# Altium PCB testboard_chip1.PcbDoc (part 1 of 3) (continued)
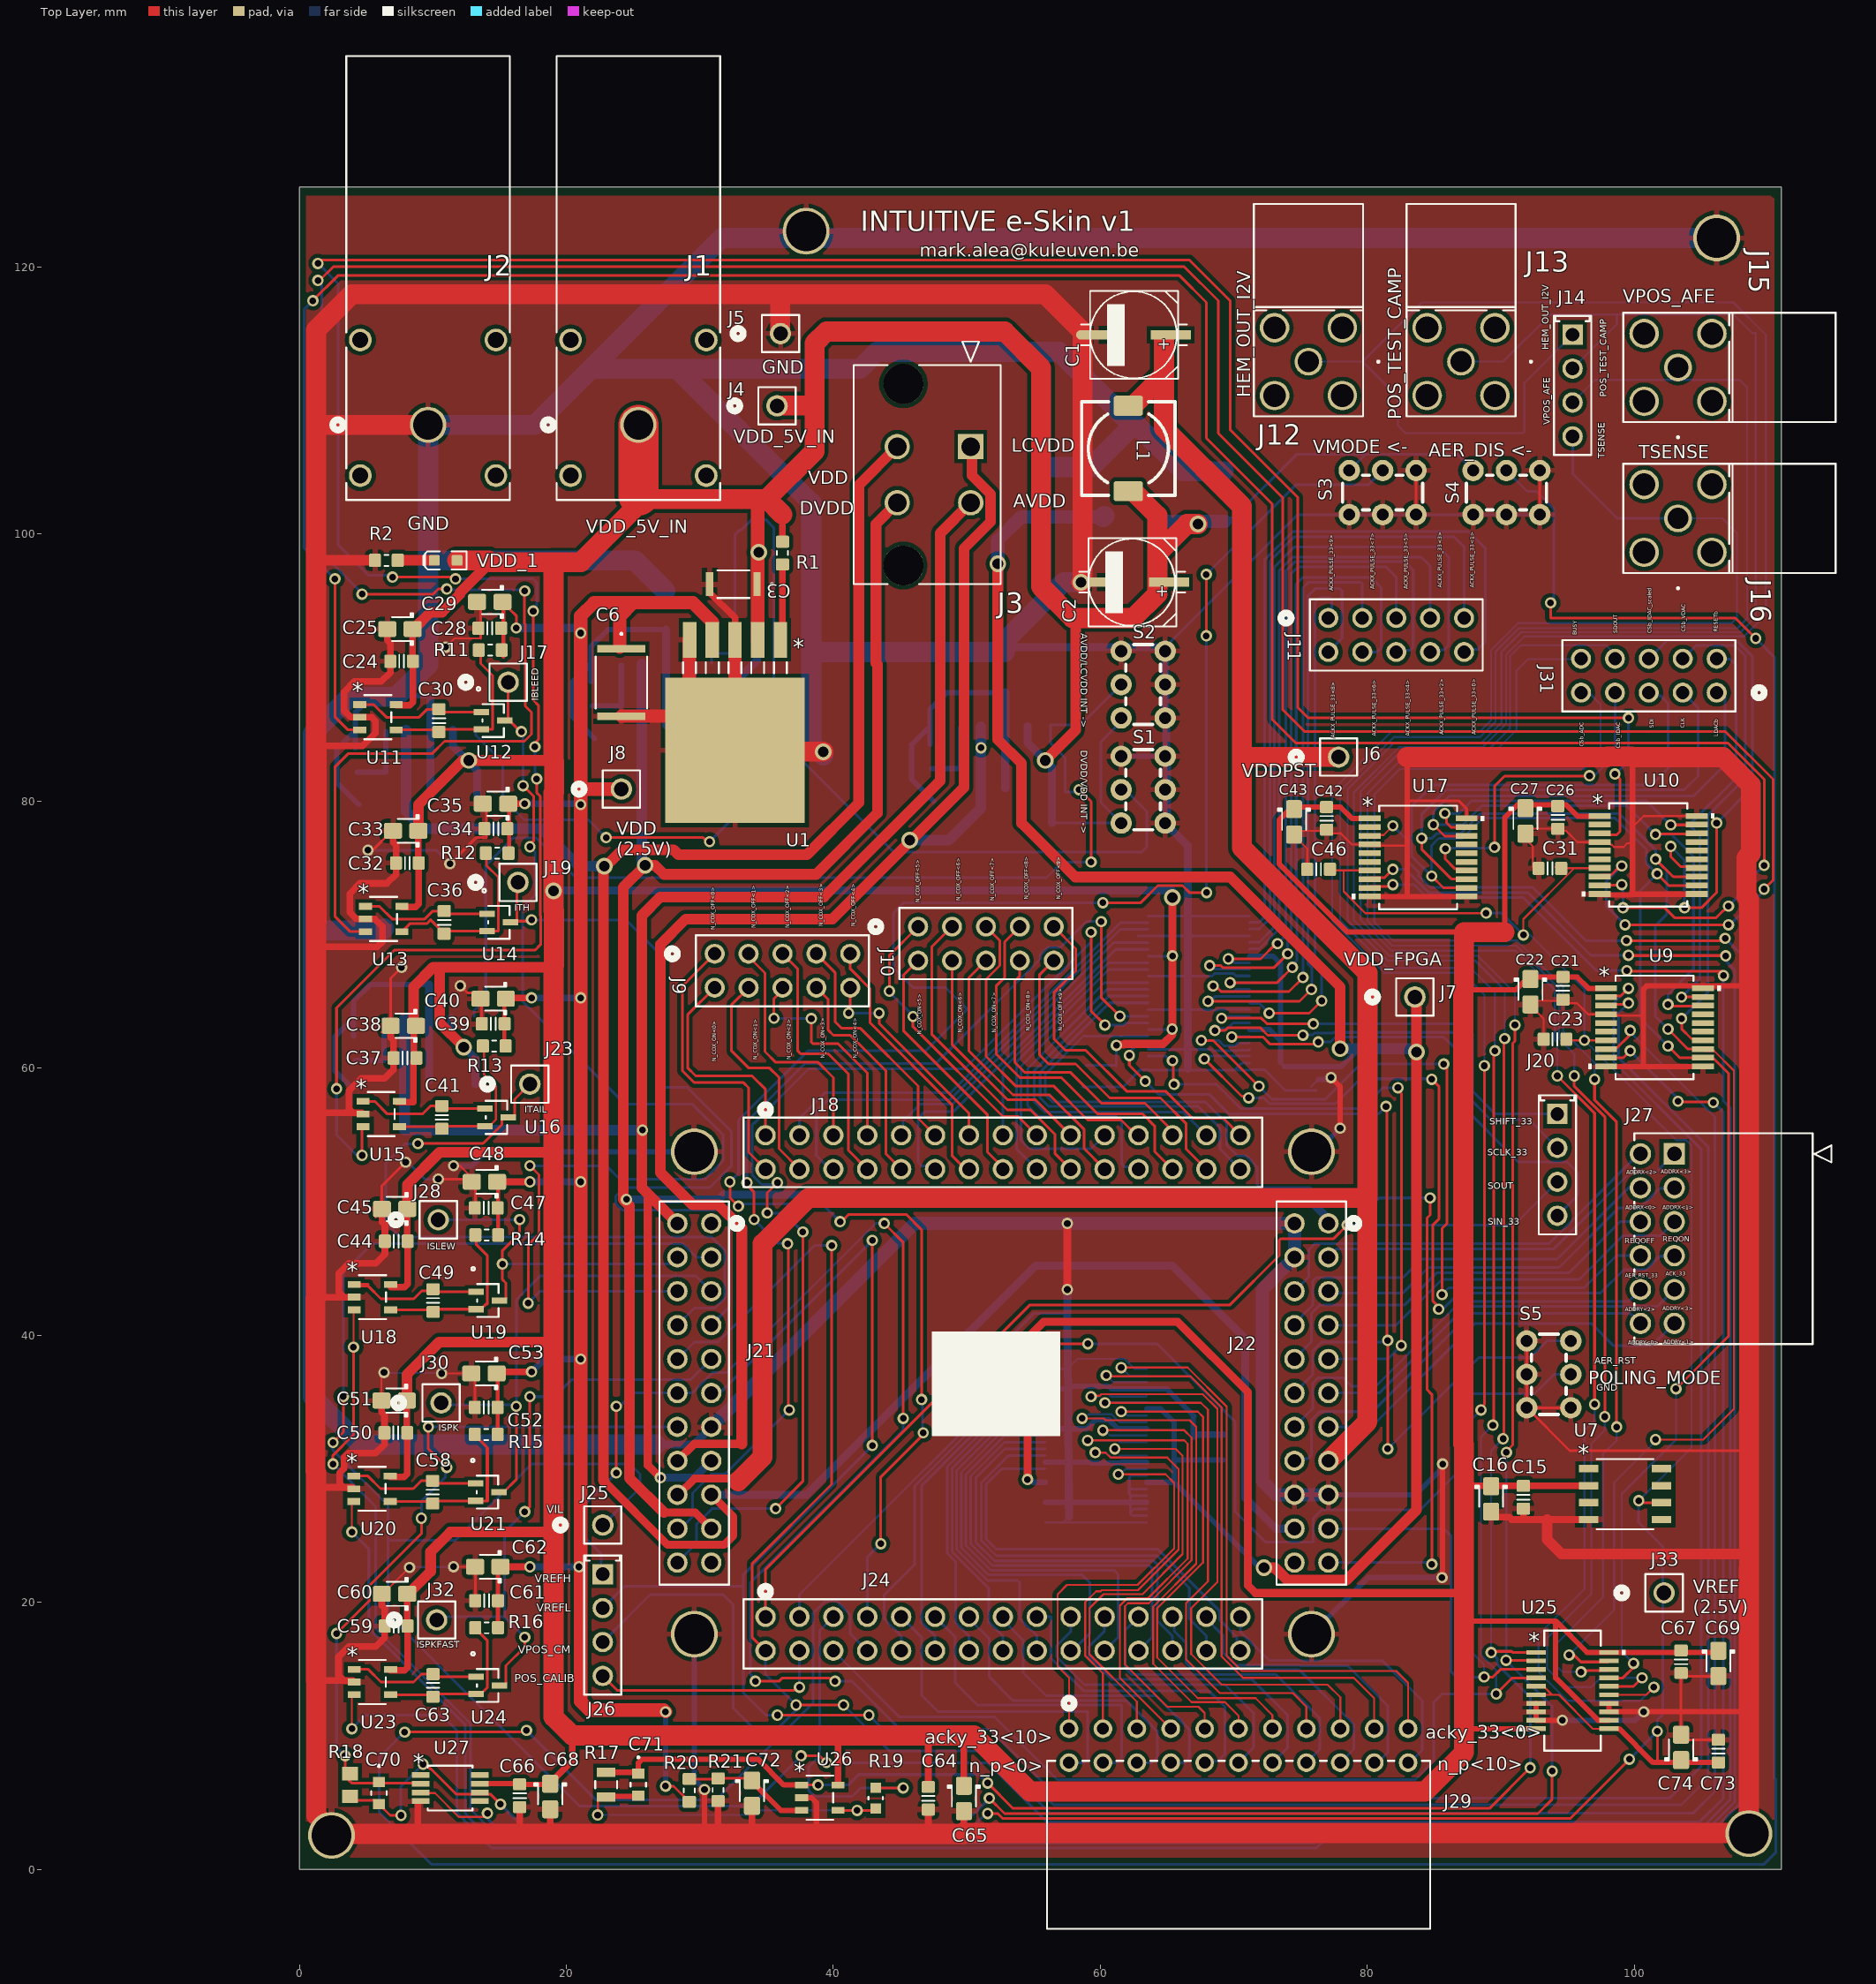
[diagram p0: Top Layer view]
## Components (designator, comment, footprint, x,y, rotation, side; value= is the part's Value field where it differs from the comment) (continued)
C61 "approved sub OK" CAPC1608N 14.03,20.116 r180 top value=100n
C62 "10µ" CAPMP2012X150USR 14.118,22.656 r180 top
C63 "47p" CAPC1608N 10.017,13.766 r90 top
C64 "approved sub OK" CAPC1608N 47.117,5.318 r270 top value=100n
C65 "10µ" CAPMP2012X150USR 49.784,5.299 r270 top
C66 "approved sub OK" CAPC1608N 16.51,5.505 r270 top value=100n
C67 "approved sub OK" CAPC1608N 103.505,15.542 r270 top value=100n
C68 "10µ" CAPMP2012X150USR 18.796,5.445 r270 top
C69 "10µ" CAPMP2012X150USR 106.299,15.415 r270 top
C70 "ML03V10R1AAT2A" CAP_0603_AVX 5.969,5.699 r270 top
C71 "ML03V10R1AAT2A" CAP_0603_AVX 25.4,6.334 r270 top
C72 "10µ" CAPMP2012X150USR 33.909,5.699 r270 top
C73 "approved sub OK" CAPC1608N 106.299,8.849 r90 top value=100n
C74 "10µ" CAPMP2012X150USR 103.505,9.126 r90 top
J1 "FCR7350R" CONN1_FCR7350R_CLF 25.4,108.178 r0 top
J2 "FCR7350R" CONN1_FCR7350R_CLF 9.652,108.178 r0 top
J3 "39299044" CON_39299044 50.292,106.546 r90 top
J4 "901200761" CONN_90120-0761_MOL 35.789,109.601 r0 top
J5 "901200761" CONN_90120-0761_MOL 36.043,115.017 r0 top
J6 "901200761" CONN_90120-0761_MOL 77.851,83.296 r0 top
J7 "901200761" CONN_90120-0761_MOL 83.566,65.328 r0 top
J8 "901200761" CONN_90120-0761_MOL 24.13,80.899 r0 top
J9 "901310765" CONN_901310765_MOL 31.115,68.564 r0 top
J10 "901310765" CONN_901310765_MOL 46.355,70.596 r0 top
J11 "901310765" CONN_901310765_MOL 77.089,93.71 r0 top
J12 "142-0701-301" CONN_142-0701-301_CIN 75.594,112.912 r0 top
J13 "142-0701-301" CONN_142-0701-301_CIN 87.024,112.912 r0 top
J14 "825433-4" CON4_1X4_P100UM_HDR2_TYC 95.377,114.935 r270 top
J15 "142-0701-301" CONN_142-0701-301_CIN 103.276,112.477 r270 top
J16 "142-0701-301" CONN_142-0701-301_CIN 103.276,101.174 r270 top
J17 "901200761" CONN_90120-0761_MOL 15.649,88.9 r0 top
J18 "SSW-115-01-T-D" CON30_2X15_TU_SSQ 52.705,53.705 r180 top
J19 "901200761" CONN_90120-0761_MOL 16.383,73.914 r0 top
J20 "825433-4" CON4_1X4_P100UM_HDR2_TYC 94.239,56.565 r270 top
J21 "SSW-111-01-G-D" CON23_2X11_TU_SSQ 29.591,35.671 r90 top
J22 "SSW-111-01-G-D" CON23_2X11_TU_SSQ 75.819,35.671 r90 top
J23 "901200761" CONN_90120-0761_MOL 17.272,58.801 r0 top
J24 "SSW-115-01-T-D" CON30_2X15_TU_SSQ 52.705,17.637 r180 top
J25 "901200761" CONN_90120-0761_MOL 22.733,25.781 r0 top
J26 "825433-4" CON4_1X4_P100UM_HDR2_TYC 22.733,22.098 r270 top
J27 "61301221021" CONN_61301221021_WRE 102.997,53.578 r270 top
J28 "901200761" CONN_90120-0761_MOL 10.414,48.641 r0 top
J29 "TSW-111-08-G-D-RA" CON23_2X11_TR_TSW_SAI 70.358,9.255 r180 top
J30 "901200761" CONN_90120-0761_MOL 10.624,34.925 r0 top
J31 "901310765" CONN_901310765_MOL 106.172,88.122 r180 top
J32 "901200761" CONN_90120-0761_MOL 10.287,18.669 r0 top
J33 "901200761" CONN_90120-0761_MOL 102.235,20.701 r0 top
L1 "1mH" MCSDRB7032-102MHF 62.103,106.41 r270 top
R1 "Thick Film" RESC1608N 36.195,98.575 r90 top value=10K
R2 "Thick Film" RESC1608N 6.523,98.028 r180 top value=866R
R3 "RC0603FR-073K32L" RC0603N_YAG 7.112,60.69 r180 bottom
R4 "RC0603FR-073K32L" RC0603N_YAG 50.292,82.42 r180 bottom
R5 "RC0603FR-073K32L" RC0603N_YAG 24.892,87.119 r180 bottom
R6 "RC0603FR-0714KL" RC0603N_YAG 7.239,82.153 r180 bottom
R7 "Thick Film" RESC1608N 4.191,61.452 r90 bottom value=10K
R8 "Thick Film" RESC1608N 47.244,83.511 r90 bottom value=10K
R9 "Thick Film" RESC1608N 21.971,87.995 r90 bottom value=10K
R10 "Thick Film" RESC1608N 4.318,83.042 r90 bottom value=10K
R11 "Thick Film" RESC1608N 14.299,91.313 r180 top value=2K21
R12 "Thick Film" RESC1608N 14.82,76.103 r180 top value=2K21
R13 "Thick Film" RESC1608N 14.605,61.656 r180 top value=2K21
R14 "Thick Film" RESC1608N 14.043,47.498 r180 top value=2K21
R15 "Thick Film" RESC1608N 14.003,32.562 r180 top value=2K21
R16 "Thick Film" RESC1608N 14.03,18.084 r180 top value=2K21
R17 "RH73X2A50GNTN" RES_RH732A_TYC 22.987,6.334 r90 top
R18 "CRCW08054M12FKEA" RC0805N_VIS 3.809,6.31 r90 top
R19 "RC0603JR-07100RL" RC0603N_YAG 43.18,5.318 r270 top
R20 "Thick Film" RESC1608N 29.21,5.905 r90 top value=100K
R21 "Thick Film" RESC1608N 31.369,5.953 r270 top value=100K
S1 "SWITCH_JS202011CQN_DPDT" PCBComponent_1 63.215,80.858 r270 top
S2 "SWITCH_JS202011CQN_DPDT" PCBComponent_1 63.215,88.732 r270 top
S3 "SWITCH_JS202011CQN_DPDT" PCBComponent_1 81.153,103.108 r180 top
S4 "SWITCH_JS202011CQN_DPDT" PCBComponent_1 90.424,103.108 r180 top
S5 "SWITCH_JS202011CQN_DPDT" PCBComponent_1 93.599,37.068 r90 top
U1 "LP3961ES-2.5" TS5B_TEX 32.639,83.804 r180 top
U2 "BD00C0AWHFP-CTR" HRP5_BD00C0_ROM 9.652,68.831 r180 bottom
U3 "BD00C0AWHFP-CTR" HRP5_BD00C0_ROM 52.832,90.662 r180 bottom
U4 "BD33C0AFP-CE2" TO252-3_ROM 62.611,108.125 r180 bottom
U5 "BD00C0AWHFP-CTR" HRP5_BD00C0_ROM 27.432,95.247 r180 bottom
U6 "BD00C0AWHFP-CTR" HRP5_BD00C0_ROM 9.779,90.294 r180 bottom
U7 "REF5025AIDG4" D8 99.314,28.096 r0 top
U8 "SN74LVCH16T245DGGR" DGG48 67.375,65.643 r180 bottom
U9 "DAC7614EB" DB20 101.514,63.053 r0 top
U10 "DAC7614EB" DB20 101.041,75.968 r0 top
U11 "TLV2771CDBVR" DBV5 5.888,86.283 r0 top
U12 "BC817W" SOT323_NEX 14.524,86.029 r270 top
U13 "TLV2771CDBVR" DBV5 6.317,71.17 r0 top
U14 "BC817W" SOT323_NEX 14.953,70.916 r270 top
U15 "TLV2771CDBVR" DBV5 6.143,56.565 r0 top
U16 "BC817W" SOT323_NEX 14.779,56.311 r270 top
U17 "DAC7614EB" DB20 83.807,75.778 r0 top
U18 "TLV2771CDBVR" DBV5 5.488,42.849 r0 top
U19 "BC817W" SOT323_NEX 14.124,42.595 r270 top
U20 "TLV2771CDBVR" DBV5 5.455,28.498 r0 top
U21 "BC817W" SOT323_NEX 14.091,28.244 r270 top
U22 "SN74LVCH16T245DGGR" DGG48 59.69,31.734 r180 bottom
U23 "TLV2771CDBVR" DBV5 5.482,14.02 r0 top
U24 "BC817W" SOT323_NEX 14.118,13.766 r270 top
U25 "ADS8344E" DBQ20 95.377,13.383 r0 top
U26 "TLV2771CDBVR" DBV5 38.989,5.36 r0 top
U27 "OPA380AIDGKT" DGK8 11.303,6.08 r0 top
VDD_1 "Red" LED-0603-RED 10.968,98.028 r180 top

## Footprints (in the part's own frame and the unit in brackets; to place one, negate y for a bottom-side part, rotate by r counter-clockwise, add the part's x,y. Pads: shape width x height; smd on the part's side, far side on the other; paste and mask are expansions set on the pad)
CAP_0603_AVX [mm]
  rect 0.75x0.91 smd paste+0 mask+0: 1(-0.825,0) 2(0.825,0)
  silkscreen extent -2.11,-0.58 0.14,0.58, body extent -0.85,-0.46 0.85,0.46, height 0.73
CAP_3216_TDK [mil]
  rect 21.78x71 smd paste+0 mask+0: 1(-69.89,0) 2(69.89,0)
  silkscreen extent -117,-40 47,41, body extent -67,-36 67,36, height 49
CAP_4532_TDK [mil]
  rect 21.78x142 smd paste+0 mask+0: 1(-99.39,0) 2(99.39,0)
  silkscreen extent -146,-76 76,76, body extent -96,-71 96,71, height 110
CAPC1608N [mm]
  round 0.254 on Mech14: 0(0,0)
  rrect25% 0.9x1 smd: 1(-0.85,0) 2(0.85,0)
  Top Layer pour cut-out: -0.4,0.6 0.4,0.6 0.4,-0.6 -0.4,-0.6
  silkscreen extent -0.18,-0.48 0.18,0.48, body extent -0.85,-0.45 0.85,0.45, height 0.89
CAPMP2012X150USR [mm]
  round 0.254 on Mech14: 0(0,0)
  rrect25% 1.35x1.2 smd: 1(-0.95,0) 2(0.95,0)
  Top Layer pour cut-out: -0.4,0.8 0.4,0.8 0.4,-0.8 -0.4,-0.8
  silkscreen extent -1,-1.2 0.6,1.2, body extent -1.02,-0.67 1.03,0.68, height 1.5
CON4_1X4_P100UM_HDR2_TYC [mil]
  rect 60x60 hole 40 mask+0: 1(0,0)
  round 60 hole 40 mask+0: 2(100,0) 3(200,0) 4(300,0)
  silkscreen extent -55,-55 355,55, body extent -50,-50 350,50, height 374
CON23_2X11_TR_TSW_SAI [mil]
  round 55 hole 35 mask+0: 1(500,-50) 2(500,50) 3(400,-50) 4(400,50) 5(300,-50) 6(300,50) 7(200,-50) 8(200,50) 9(100,-50) 10(100,50) 11(0,-50) 12(0,50) 13(-100,-50) 14(-100,50) 15(-200,-50) 16(-200,50) 17(-300,-50) 18(-300,50) 19(-400,-50) 20(-400,50) 21(-500,-50) 22(-500,50)
  silkscreen extent -565,-140 565,540, body extent 0,0 10,10, height 10
CON23_2X11_TU_SSQ [mil]
  round 60 hole 40 mask+0: 1(500,-50) 2(500,50) 3(400,-50) 4(400,50) 5(300,-50) 6(300,50) 7(200,-50) 8(200,50) 9(100,-50) 10(100,50) 11(0,-50) 12(0,50) 13(-100,-50) 14(-100,50) 15(-200,-50) 16(-200,50) 17(-300,-50) 18(-300,50) 19(-400,-50) 20(-400,50) 21(-500,-50) 22(-500,50)
  silkscreen extent -565,-140 565,103, body extent 0,0 10,10, height 10
CON30_2X15_TU_SSQ [mil]
  round 60 hole 40 mask+0: 1(700,-50) 2(700,50) 3(600,-50) 4(600,50) 5(500,-50) 6(500,50) 7(400,-50) 8(400,50) 9(300,-50) 10(300,50) 11(200,-50) 12(200,50) 13(100,-50) 14(100,50) 15(0,-50) 16(0,50) 17(-100,-50) 18(-100,50) 19(-200,-50) 20(-200,50) 21(-300,-50) 22(-300,50) 23(-400,-50) 24(-400,50) 25(-500,-50) 26(-500,50) 27(-600,-50) 28(-600,50) 29(-700,-50) 30(-700,50)
  silkscreen extent -765,-140 765,103, body extent 0,0 10,10, height 10
CON_39299044 [mm]
  rect 1.9x1.9 hole 1.4 mask+0.076: 1(0,0)
  round 1.9 hole 1.4 mask+0.076: 2(-4.2,0) 3(0,5.5) 4(-4.2,5.5)
  round 3 hole 3 unplated mask+0.076: M1(4.7,5.04) M2(-8.9,5.04)
  silkscreen extent -10.3,-2.25 7.88,8.75, body extent 0,0 0.25,0.25, height 0.25
CONN1_FCR7350R_CLF [mil]
  round 107 hole 87 mask+0: 1(0,0)
  round 67 hole 47: 2(-200,-149.61) 3(200,-149.61) 4(-200,250.39) 5(200,250.39)
  silkscreen extent -281,-222 241,1087, body extent 0,-10 10,0, height 10
CONN_142-0701-301_CIN [mil]
  round 82 hole 62 mask+0: 1(0,0)
  round 87 hole 67 mask+0: 2(-100,100) 3(-100,-100) 4(100,-100) 5(100,100)
  silkscreen extent -161,-161 209,465, body extent 0,0 10,10, height 10
CONN_90120-0761_MOL [mil]
  round 63 hole 43 mask+0: 1(0,0)
  silkscreen extent -140,-55 55,55, body extent 0,0 10,10, height 10
CONN_901310765_MOL [mil]
  round 59 hole 39 mask+0: 1(0,0) 2(100,0) 3(200,0) 4(300,0) 5(400,0) 6(0,-100) 7(100,-100) 8(200,-100) 9(300,-100) 10(400,-100)
  silkscreen extent -140,-155 455,55, body extent 0,0 10,10, height 10
CONN_61301221021_WRE [mil]
  rect 63x63 hole 43 mask+0: 1(0,0)
  round 63 hole 43 mask+0: 2(0,-100) 3(100,0) 4(100,-100) 5(200,0) 6(200,-100) 7(300,0) 8(300,-100) 9(400,0) 10(400,-100) 11(500,0) 12(500,-100)
  silkscreen extent -61,-118 561,463, body extent -50,-16 550,516, height 200
D8 [mm]
  rect 1.455x0.558 smd paste+0 mask+0: 1(-2.721,1.905) 2(-2.721,0.635) 3(-2.721,-0.635) 4(-2.721,-1.905) 5(2.721,-1.905) 6(2.721,-0.635) 7(2.721,0.635) 8(2.721,1.905)
  silkscreen extent -2.12,-2.63 2.12,2.63, body extent -3.1,-2.5 3.1,2.5, height 1.76
DB20 [mil]
  rect 64.56x16.97 smd paste+0 mask+0: 1(-143,115.16) 2(-143,89.57) 3(-143,63.98) 4(-143,38.39) 5(-143,12.8) 6(-143,-12.79) 7(-143,-38.39) 8(-143,-63.98) 9(-143,-89.57) 10(-143,-115.16) 11(143,-115.16) 12(143,-89.57) 13(143,-63.98) 14(143,-38.39) 15(143,-12.79) 16(143,12.8) 17(143,38.39) 18(143,63.98) 19(143,89.57) 20(143,115.16)
  silkscreen extent -195,-153 195,152, body extent -161,-147 161,147, height 79
DBQ20 [mil]
  rect 57.28x13.97 smd paste+0 mask+0: 1(-107.14,112.5) 2(-107.14,87.5) 3(-107.14,62.5) 4(-107.14,37.5) 5(-107.14,12.5) 6(-107.14,-12.5) 7(-107.14,-37.5) 8(-107.14,-62.5) 9(-107.14,-87.5) 10(-107.14,-112.5) 11(107.14,-112.5) 12(107.14,-87.5) 13(107.14,-62.5) 14(107.14,-37.5) 15(107.14,-12.5) 16(107.14,12.5) 17(107.14,37.5) 18(107.14,62.5) 19(107.14,87.5) 20(107.14,112.5)
  silkscreen extent -156,-177 156,177, body extent -122,-172 122,172, height 69
DBV5 [mil]
  rect 38.28x20 smd paste+0 mask+0: 1(-53.64,37.4) 2(-53.64,0) 3(-53.64,-37.4) 4(53.64,-37.4) 5(53.64,37.4)
  silkscreen extent -40,-65 40,65, body extent -59,-60 59,60, height 57
DGG48 [mil]
  rect 55.28x11 smd paste+0 mask+0: 1(-149.64,226.38) 2(-149.64,206.69) 3(-149.64,187.01) 4(-149.64,167.32) 5(-149.64,147.64) 6(-149.64,127.95) 7(-149.64,108.27) 8(-149.64,88.58) 9(-149.64,68.9) 10(-149.64,49.21) 11(-149.64,29.53) 12(-149.64,9.84) 13(-149.64,-9.84) 14(-149.64,-29.53) 15(-149.64,-49.21) 16(-149.64,-68.9) 17(-149.64,-88.58) 18(-149.64,-108.27) 19(-149.64,-127.95) 20(-149.64,-147.64) 21(-149.64,-167.32) 22(-149.64,-187.01) 23(-149.64,-206.69) 24(-149.64,-226.38) 25(149.64,-226.38) 26(149.64,-206.69) 27(149.64,-187.01) 28(149.64,-167.32) 29(149.64,-147.64) 30(149.64,-127.95) 31(149.64,-108.27) 32(149.64,-88.58) 33(149.64,-68.9) 34(149.64,-49.21) 35(149.64,-29.53) 36(149.64,-9.84) 37(149.64,9.84) 38(149.64,29.53) 39(149.64,49.21) 40(149.64,68.9) 41(149.64,88.58) 42(149.64,108.27) 43(149.64,127.95) 44(149.64,147.64) 45(149.64,167.32) 46(149.64,187.01) 47(149.64,206.69) 48(149.64,226.38)
  silkscreen extent -197,-253 197,253, body extent -164,-248 164,248, height 47
DGK8 [mm]
  rect 1.328x0.431 smd paste+0 mask+0: 1(-2.213,0.975) 2(-2.213,0.325) 3(-2.213,-0.325) 4(-2.213,-0.975) 5(2.213,-0.975) 6(2.213,-0.325) 7(2.213,0.325) 8(2.213,0.975)
  silkscreen extent -1.68,-1.68 1.68,1.68, body extent -2.53,-1.55 2.53,1.55, height 1.09
HRP5_BD00C0_ROM [mil]
  rect 34.97x68.56 smd paste+0 mask+0: 1(-135.43,-194.5) 2(-67.72,-194.5) 3(0,-194.5) 4(67.72,-194.5) 5(135.43,-194.5)
  rect 258x323 smd paste+0 mask+0: 6(0,19.5)
  silkscreen extent -193,-165 193,165, body extent -187,-215 187,160, height 79
LED-0603-RED [mm]
  round 0.254 on Mech14: 0(0,0)
  rrect25% 0.8x0.8 smd: A(-0.85,0) K(0.85,0)
  Top Layer pour cut-out: -0.5,0.5 0.5,0.5 0.5,-0.5 -0.5,-0.5
  silkscreen extent -1.55,-0.67 1.68,0.67, body extent -0.8,-0.4 0.8,0.4, height 0.75
MCSDRB7032-102MHF [mm]
  rrect25% 1.5x2.2 smd: 1(-3.2,0) 2(3.2,0)
  silkscreen extent -3.5,-3.5 3.5,3.5
PANACAP-D-GENERIC [mm]
  rect 3x0.7 smd: +(-2.794,0)
  oval 3x0.7 smd: -(2.794,0)
  silkscreen extent -4,-3.3 3.93,3.3, body extent -3.5,-3.3 3.5,3.3, height 5.4
PCBComponent_1 [mm]
  round 1.6 hole 0.9: 1(-2.5,1.65) 2(0,1.65) 3(2.5,1.65) 4(-2.5,-1.65) 5(0,-1.65) 6(2.5,-1.65)
  silkscreen extent -3,-1.3 3,1.3
RC0603N_YAG [mil]
  rect 29.78x32 smd paste+0 mask+0: 1(-30.39,0) 2(30.39,0)
  silkscreen extent -3,-21 3,21, body extent -31,-16 31,16, height 28
RC0805N_VIS [mm]
  rect 1x1.2 smd paste+0 mask+0: 1(-0.85,0) 2(0.85,0)
  body extent -1,-0.6 1,0.6, height 0.71
RES_RH732A_TYC [mil]
  rect 27.87x55 smd paste+0 mask+0: 1(-36.44,0) 2(36.44,0)
  silkscreen extent -10,-32 10,32, body extent -43,-27 43,27, height 20
RESC1608N [mm]
  round 0.254 on Mech14: 0(0,0)
  rrect25% 0.9x1 smd: 1(-0.85,0) 2(0.85,0)
  Top Layer pour cut-out: -0.4,0.6 0.4,0.6 0.4,-0.6 -0.4,-0.6
  silkscreen extent -0.15,-0.41 0.15,0.41, body extent -0.87,-0.47 0.88,0.48, height 0.54
SOT323_NEX [mil]
  rect 18.36x45.56 smd paste+0 mask+0: 1(-25.59,-34.5) 2(25.59,-34.5) 3(0,34.5)
  silkscreen extent -98,-48 48,32, body extent -44,-44 44,44, height 44
TO252-3_ROM [mil]
  rect 27.97x66.56 smd paste+0 mask+0: 1(-90.55,-266) 3(90.55,-266)
  rect 258x245 smd paste+0 mask+0: 2(0,0)
  silkscreen extent -104,-219 104,-136, body extent -128,-178 128,109, height 98
TS5B_TEX [mil]
  rect 39.97x105.56 smd paste+0 mask+0: 1(-134,-326) 2(-67,-326) 3(0,-326) 4(67,-326) 5(134,-326)
  rect 412x428 smd paste+0 mask+0: 6(0,0)
  silkscreen extent -153,-259 153,-227, body extent -205,-278 205,200, height 189

## Part data
C1 C2: library part PANACAP-100UF-16V-FK, "GENERIC CAPACITOR POLARISED", Supplier Part Number 1=PCE3783TR-ND, Supplier 1=Digi-Key
C3 C4 C5 C6 C7 C8 C9 C10 C11 C12 C13 C14: "No Description Available", Mfr_Name=TDK, Copyright="Copyright (C) 2022 Ultra Librarian. All rights reserved.", RefDes=RefDes, Type=DEV
  C3 C4 C5 C7 C8 C9 C10 C11 C12 C13 C14: Manufacturer_Part_Number=C3216X5R1A686M160AC
  C6: Manufacturer_Part_Number=C4532X7R1C336M250KC
C15 C17 C19 C21 C23 C24 C26 C28 C31 C32 C34 C37 C39 C42 C44 C46 C47 C50 C52 C54 C56 C59 C61 C64 C66 C67 C73: library part CAPC_100n_0603, "Capacitor SMD Cer 100nF 10% 50V X7R 0603", Manufacturer 1="AVX Corporation", Manufacturer 2="TDK Corporation", Manufacturer Part Number 1=06035C104KAT2A, Manufacturer Part Number 2=C1608X7R1H104K, Package / Case="0603 (1608 Metric)", Ratings="50V; X7R", Supplier Part Number 1=478-5052-1-ND, Tolerance=±10%, ComponentLink1Description=http://www.avx.com/docs/Catalogs/cx7r.pdf, ComponentLink1URL=http://www.avx.com/docs/Catalogs/cx7r.pdf, ComponentLink2Description=http://product.tdk.com/capacitor/mlcc/en/documents/mlcc_commercial_general_en.pdf, ComponentLink2URL=http://product.tdk.com/capacitor/mlcc/en/documents/mlcc_commercial_general_en.pdf, Material=ceramic, Supplier 1=Digi-Key, Supplier 2=Digi-Key, Supplier Part Number 2=445-1314-1-ND
C16 C18 C20 C22 C25 C27 C29 C33 C35 C38 C40 C43 C45 C48 C51 C53 C55 C57 C60 C62 C65 C68 C69 C72 C74: library part CAPT_10u_0805_10V, "Capacitor SMD Tantalum 10uF 20% 10V 0805", Manufacturer 1="AVX Corporation", Manufacturer Part Number 1=TAJP106M010RNJ, Package / Case="0805 (2012 metric)", Ratings=10V, Supplier Part Number 1=478-3281-1-ND, Tolerance=±20%, Material=Tantalum, Supplier 1=Digi-Key
C30 C36 C41 C49 C58 C63: library part CAPC_47p_0603, "Capacitor SMD Cer 47pF 0603", Operating Temperature="-55°C ~ 125°C", Package / Case="0603 (1608 Metric)", Ratings="50V; NP0", Tolerance=±5%, ComponentLink1Description=http://www.avx.com/docs/Catalogs/ccog.pdf, ComponentLink1URL=http://www.avx.com/docs/Catalogs/ccog.pdf, ComponentLink2Description=http://www.tdk.com/pdf/tight_tol_B11.pdf, ComponentLink2URL=http://www.tdk.com/pdf/tight_tol_B11.pdf, ComponentLink3Description=http://www.kemet.com/datasheets&C0603C221F5GACTU, ComponentLink3URL=http://www.kemet.com/datasheets&C0603C221F5GACTU, Size / Dimension="0.063\" L x 0.031\" W (1.60mm x 0.80mm)", Thickness (Max)="0.037\" (0.95mm)"
C70 C71: "No Description Available", Mfr_Name="KYOCERA AVX", Copyright="Copyright (C) 2022 Ultra Librarian. All rights reserved.", Manufacturer_Part_Number=ML03V10R1AAT2A, RefDes=RefDes, Type=DEV
J1 J2: "No Description Available", Mfr_Name=Cliff, Copyright="Copyright (C) 2022 Ultra Librarian. All rights reserved.", Manufacturer_Part_Number=FCR7350R, RefDes=RefDes, Type=DEV
J3 J4 J5 J6 J7 J8 J9 J10 J11 J17 J19 J23 J25 J28 J30 J31 J32 J33: "No Description Available", Mfr_Name="Molex Connector Corporation", Copyright="Copyright (C) 2022 Ultra Librarian. All rights reserved.", RefDes=RefDes, Type=DEV
  J3: Manufacturer_Part_Number=39299044
  J4 J5 J6 J7 J8 J17 J19 J23 J25 J28 J30 J32 J33: Manufacturer_Part_Number=901200761
  J9 J10 J11 J31: Manufacturer_Part_Number=901310765
J12 J13 J15 J16: "No Description Available", Mfr_Name="Cinch Connectivity Solutions", Copyright="Copyright (C) 2022 Ultra Librarian. All rights reserved.", Manufacturer_Part_Number=142-0701-301, RefDes=RefDes, Type=DEV
J14 J20 J26 R17: "No Description Available", Mfr_Name="TE Connectivity", Copyright="Copyright (C) 2022 Ultra Librarian. All rights reserved.", RefDes=RefDes, Type=DEV
  J14 J20 J26: Manufacturer_Part_Number=825433-4
  R17: Manufacturer_Part_Number=RH73X2A50GNTN
J18 J21 J22 J24 J29: "No Description Available", Mfr_Name="Samtec Inc", Copyright="Copyright (C) 2022 Ultra Librarian. All rights reserved.", RefDes=RefDes, Type=DEV
  J18 J24: Manufacturer_Part_Number=SSW-115-01-T-D
  J21 J22: Manufacturer_Part_Number=SSW-111-01-G-D
  J29: Manufacturer_Part_Number=TSW-111-08-G-D-RA
J27: "No Description Available", Mfr_Name="Wurth Electronics", Copyright="Copyright (C) 2022 Ultra Librarian. All rights reserved.", Manufacturer_Part_Number=61301221021, RefDes=RefDes, Type=DEV
L1: library part MCSDRB7032-102MHF, "1mH 150mA inductor"
R1 R7 R8 R9 R10: library part RES_10K_0603_1%, "Resistor SMD chip 10k Ohm 0.1W 1% 0603", Manufacturer 1=Yageo, Manufacturer Part Number 1=RC0603FR-0710KL, Package / Case="0603 (1608 Metric)", Ratings=1/10W, Supplier Part Number 1=311-10.0KHRCT-ND, Tolerance=±1%, Supplier 1=Digi-Key
R2: library part RES_866R_0603_1%_1, "Resistor SMD chip 866 Ohm 0.1W 1% 0603", Package / Case="0603 (1608 Metric)", Ratings=1/10W, Tolerance=±1%
R3 R4 R5 R6 R19: "No Description Available", Mfr_Name=Yageo, Copyright="Copyright (C) 2022 Ultra Librarian. All rights reserved.", RefDes=RefDes, Type=DEV
  R3 R4 R5: Manufacturer_Part_Number=RC0603FR-073K32L
  R6: Manufacturer_Part_Number=RC0603FR-0714KL
  R19: Manufacturer_Part_Number=RC0603JR-07100RL
R11 R12 R13 R14 R15 R16: library part RES_2K21_0603_1%, "Resistor SMD chip 2.21k Ohm 0.1W 1% 0603", Package / Case="0603 (1608 Metric)", Ratings=1/10W, Tolerance=±1%
R18: "No Description Available", Mfr_Name=Vishay, Copyright="Copyright (C) 2022 Ultra Librarian. All rights reserved.", Manufacturer_Part_Number=CRCW08054M12FKEA, RefDes=RefDes, Type=DEV
R20 R21: library part RES_100K_0603_1%, "Resistor SMD chip 100k Ohm 0.1W 1% 0603", Manufacturer 1=Vishay/Dale, Manufacturer Part Number 1=CRCW0603100KFKEA, Package / Case="0603 (2012 metric)", Ratings=1/10W, Supplier Part Number 1=541-100KHCT-ND, Tolerance=±1%, Supplier 1=Digi-Key
U1 U7 U8 U9 U10 U11 U13 U15 U17 U18 U20 U22 U23 U25 U26 U27: "No Description Available", Mfr_Name="Texas Instruments", RefDes=RefDes, Type=DEV
  U1: Copyright="Copyright (C) 2022 Ultra Librarian. All rights reserved.", Manufacturer_Part_Number=LP3961ES-2.5
  U7: Copyright="Copyright (C) 2021 Ultra Librarian. All rights reserved.", Manufacturer_Part_Number=REF5025AIDG4
  U8 U22: Copyright="Copyright (C) 2022 Ultra Librarian. All rights reserved.", Manufacturer_Part_Number=SN74LVCH16T245DGGR
  U9 U10 U17: Copyright="Copyright (C) 2022 Ultra Librarian. All rights reserved.", Manufacturer_Part_Number=DAC7614EB
  U11 U13 U15 U18 U20 U23 U26: Copyright="Copyright (C) 2022 Ultra Librarian. All rights reserved.", Manufacturer_Part_Number=TLV2771CDBVR
  U25: Copyright="Copyright (C) 2022 Ultra Librarian. All rights reserved.", Manufacturer_Part_Number=ADS8344E
  U27: Copyright="Copyright (C) 2022 Ultra Librarian. All rights reserved.", Manufacturer_Part_Number=OPA380AIDGKT
U2 U3 U4 U5 U6: "No Description Available", Mfr_Name="ROHM Semiconductor", Copyright="Copyright (C) 2022 Ultra Librarian. All rights reserved.", RefDes=RefDes, Type=DEV
  U2 U3 U5 U6: Manufacturer_Part_Number=BD00C0AWHFP-CTR
  U4: Manufacturer_Part_Number=BD33C0AFP-CE2
U12 U14 U16 U19 U21 U24: "No Description Available", Mfr_Name=Nexperia, Copyright="Copyright (C) 2022 Ultra Librarian. All rights reserved.", Manufacturer_Part_Number=BC817W, RefDes=RefDes, Type=DEV
VDD_1: library part LED_SMD_Red_0603_220mcd, "LED 0603 SMD Hyper Red 630nm 220mcd 20mA", Manufacturer 1="Kingbright Corp", Manufacturer Part Number 1=APT1608SURCK, Package / Case="0603 (1608 metric)", Ratings="220 mcd; 630 nm", Supplier Part Number 1=754-1123-1-ND, Voltage - Forward (Vf) @ 10mA=1.9V, Voltage - Forward (Vf) Typ=1.95V, Material="AlGaInP on GaAs", Supplier 1=Digi-Key

## Free pads (board coordinates)
  round 3.508 hole 3 mask+0: 1(29.591,53.737) 2(75.819,53.737) 3(2.413,2.54) 3(29.591,17.605) 3(37.973,122.682) 3(106.172,122.174) 3(108.585,2.667) 4(75.819,17.605)

## Via types
v1: diameter 0.85, hole 0.5, Top Layer to Bottom Layer, 274 vias
v2: diameter 1.25, hole 0.8, Top Layer to Bottom Layer, 16 vias

## Nets (pads, with @x,y where several pads share a name; then routed paths per layer and width w, separated by ;. In a path a pad name is that pad's centre, name@x,y a point inside that pad or via, vN(x,y) a via of type N, cw(c..) or ccw(c..) an arc to the next point about the centre after c; other vN are vias at no path point)
ACK: J22.9 U8.27 | length 47.2
  Top Layer w0.2: v1(65.405,60.563) 65.468,60.499 65.468,58.848 v1(65.532,58.785) ; v1(82.296,58.531) 82.296,58.355 82.55,58.101 v1(82.55,39.227)
  Bottom Layer w0.2: U8.27@63.574,60.893 64.899,60.893 65.229,60.563 v1(65.405,60.563) ; v1(65.532,58.785) 68.698,58.785 70.502,56.981 79.603,56.981 81.153,58.531 v1(82.296,58.531) ; J22.9@77.089,38.211 81.534,38.211 v1(82.55,39.227)
ACK_33: J27.7 U8.22 | length 59.8
  Top Layer w0.2: v1(67.792,60.69) 70.589,57.893 70.996,57.893 v1(71.12,57.769) ; v1(84.823,59.166) 85.384,58.605 85.384,48.726 84.923,48.265 84.923,42.542 85.344,42.121 v1(85.344,41.945)
  Bottom Layer w0.2: v1(67.792,60.69) 67.968,60.69 68.171,60.893 U8.22@71.176,60.893 ; v1(71.12,57.769) 72.263,57.769 72.701,57.331 77.611,57.331 79.486,59.206 84.783,59.206 v1(84.823,59.166) ; v1(85.344,41.945) 85.649,41.945 86.868,43.164 97.478,43.164 99.222,44.908 100.892,44.908 101.897,45.913 102.952,45.913 J27.7@102.997,45.958
ACKX_PULSE_EXT<0>: J18.3 U8.47 | length 33.4
  Bottom Layer w0.2: J18.3@37.465,54.975 37.465,56.245 39.37,58.15 48.768,58.15 61.511,70.893 U8.47@63.574,70.893
ACKX_PULSE_EXT<1>: J18.6 U8.46 | length 35.5
  Bottom Layer w0.2: J18.6@40.005,52.435 39.751,52.435 38.735,53.451 38.735,56.753 39.624,57.642 48.755,57.642 61.506,70.393 U8.46@63.574,70.393
ACKX_PULSE_EXT<2>: J18.9 U8.44 | length 25
  Bottom Layer w0.2: J18.9@45.085,54.975 45.227,55.117 45.227,56.037 46.482,57.292 48.9,57.292 61.001,69.393 U8.44@63.574,69.393
ACKX_PULSE_EXT<3>: J18.12 U8.43 | length 27.2
  Bottom Layer w0.2: J18.12@47.625,52.435 47.372,52.688 46.61,52.688 46.355,52.943 46.355,56.245 46.863,56.753 49.012,56.753 61.152,68.893 U8.43@63.574,68.893
ACKX_PULSE_EXT<4>: J18.15 U8.41 | length 19.1
  Bottom Layer w0.2: J18.15@52.705,54.975 52.705,59.951 60.647,67.893 U8.41@63.574,67.893
ACKX_PULSE_EXT<5>: J18.18 U8.40 | length 21.4
  Bottom Layer w0.2: J18.18@55.245,52.435 53.717,53.963 53.717,60.468 60.642,67.393 U8.40@63.574,67.393
ACKX_PULSE_EXT<6>: J18.21 U8.38 | length 24.6
  Bottom Layer w0.2: J18.21@60.325,54.975 59.313,53.963 54.688,53.963 54.067,54.584 54.067,60.147 60.313,66.393 U8.38@63.574,66.393
ACKX_PULSE_EXT<7>: J18.24 U8.37 | length 26.4
  Bottom Layer w0.2: J18.24@62.865,52.435 62.68,52.62 61.803,52.62 61.607,52.816 61.607,55.972 61.208,56.372 55.372,56.372 54.552,57.192 54.552,59.951 60.494,65.893 U8.37@63.574,65.893
ACKX_PULSE_EXT<8>: J18.27 U8.36 | length 27.1
  Bottom Layer w0.2: U8.36@63.574,65.393 60.636,65.393 55.044,59.801 55.044,57.515 55.837,56.722 66.198,56.722 J18.27@67.945,54.975
ACKX_PULSE_EXT<9>: J18.30 U8.35 | length 30.3
  Bottom Layer w0.2: U8.35@63.574,64.893 60.699,64.893 55.499,59.693 55.499,57.769 56.143,57.125 67.359,57.125 68.957,55.527 68.957,53.963 J18.30@70.485,52.435
ACKX_PULSE_EXT_33<0>: J11.10 U8.2 | length 54.9
  Bottom Layer w0.2: U8.2@71.176,70.893 71.216,70.933 71.911,70.933 72.298,71.32 72.298,98.063 74.422,100.187 87.59,100.187 88.86,98.917 88.86,91.932 88.298,91.37 87.449,91.37 J11.10@87.249,91.17
ACKX_PULSE_EXT_33<1>: J11.5 U8.3 | length 49.6
  Bottom Layer w0.2: U8.3@71.176,70.393 71.216,70.433 71.911,70.433 72.693,71.215 72.693,97.95 74.549,99.806 86.487,99.806 87.249,99.044 J11.5@87.249,93.71
ACKX_PULSE_EXT_33<2>: J11.9 U8.5 | length 51.5
  Bottom Layer w0.2: U8.5@71.176,69.393 71.216,69.433 71.911,69.433 73.054,70.576 73.054,97.549 74.549,99.044 85.344,99.044 86.106,98.282 86.106,91.678 85.758,91.33 84.869,91.33 J11.9@84.709,91.17
ACKX_PULSE_EXT_33<3>: J11.4 U8.6 | length 45.6
  Bottom Layer w0.2: U8.6@71.176,68.893 71.216,68.933 71.911,68.933 73.406,70.428 73.406,97.266 74.422,98.282 84.016,98.282 84.709,97.589 J11.4@84.709,93.71
ACKX_PULSE_EXT_33<4>: J11.8 U8.8 | length 51.3
  Top Layer w0.2: v1(69.596,68.183) 72.009,68.183 73.152,69.326 v1(73.279,69.326)
  Bottom Layer w0.2: v1(69.596,68.183) 69.772,68.183 70.062,67.893 U8.8@71.176,67.893 ; v1(73.279,69.326) 73.914,69.961 73.914,97.266 74.58,97.932 82.804,97.932 83.439,97.297 83.439,91.526 83.218,91.305 82.304,91.305 J11.8@82.169,91.17
ACKX_PULSE_EXT_33<5>: J11.3 U8.9 | length 49.5
  Top Layer w0.2: v1(68.199,67.675) 69.042,67.675 69.209,67.508 72.985,67.508 v1(74.041,68.564)
  Bottom Layer w0.2: v1(68.199,67.675) 68.375,67.675 68.617,67.433 71.136,67.433 U8.9@71.176,67.393 ; v1(74.041,68.564) 74.041,69.593 74.295,69.847 74.295,97.035 74.793,97.533 81.407,97.533 82.169,96.771 J11.3@82.169,93.71
ACKX_PULSE_EXT_33<6>: J11.7 U8.11 | length 48.4
  Top Layer w0.2: v1(69.723,66.405) 73.247,66.405 v1(74.39,67.548)
  Bottom Layer w0.2: v1(69.723,66.405) 69.729,66.399 71.17,66.399 U8.11@71.176,66.393 ; v1(74.39,67.548) 74.39,67.724 74.716,68.05 74.716,73.278 74.676,73.318 74.676,96.25 75.184,96.758 80.264,96.758 81.026,95.996 81.026,91.461 80.735,91.17 J11.7@79.629,91.17
ACKX_PULSE_EXT_33<7>: J11.2 U8.12 | length 46.7
  Top Layer w0.2: v1(68.453,66.151) 68.629,66.151 69.05,65.73 74.128,65.73 v1(75.184,66.786)
  Bottom Layer w0.2: v1(68.453,66.151) 68.629,66.151 69.05,65.73 70.003,65.73 70.166,65.893 U8.12@71.176,65.893 ; v1(75.184,66.786) 75.184,95.996 75.565,96.377 79.502,96.377 79.629,96.25 J11.2@79.629,93.71
ACKX_PULSE_EXT_33<8>: J11.6 U8.13 | length 48.8
  Top Layer w0.2: v1(68.072,65.008) 74.93,65.008 v1(75.819,65.897)
  Bottom Layer w0.2: v1(68.072,65.008) 68.248,65.008 68.62,65.38 71.163,65.38 U8.13@71.176,65.393 ; v1(75.819,65.897) 75.859,65.937 75.859,67.508 75.565,67.802 75.565,95.384 76.094,95.913 77.944,95.913 78.115,95.742 78.115,92.196 J11.6@77.089,91.17
ACKX_PULSE_EXT_33<9>: J11.1 U8.14 | length 39.1
  Top Layer w0.2: v1(72.645,64.119) 75.657,64.119 v1(76.581,65.043)
  Bottom Layer w0.2: U8.14@71.176,64.893 71.216,64.853 71.911,64.853 v1(72.645,64.119) ; v1(76.581,65.043) 76.581,67.548 76.09,68.039 76.09,94.893 76.431,95.234 77.216,95.234 77.343,95.107 77.343,94.715 77.337,94.71 77.337,93.958 J11.1@77.089,93.71
ADDRX<0>: J22.8 J27.4 | length 31.3
  Bottom Layer w0.2: J22.8@74.549,40.751 74.549,40.865 75.923,42.239 75.923,44.053 76.177,44.307 82.677,44.307 84.074,45.704 94.234,45.704 99.568,51.038 J27.4@100.457,51.038
ADDRX<1>: J22.5 J27.3 | length 29.2
  Bottom Layer w0.2: J22.5@77.089,43.291 77.216,43.164 82.677,43.164 84.582,45.069 94.361,45.069 98.84,49.548 100.452,49.548 101.897,50.993 102.952,50.993 J27.3@102.997,51.038
ADDRX<2>: J22.6 J27.2 | length 31.4
  Bottom Layer w0.2: J22.6@74.549,43.291 75.623,44.365 75.623,46.407 76.063,46.847 93.612,46.847 100.343,53.578 J27.2@100.457,53.578
ADDRX<3>: J22.3 J27.1 | length 29.1
  Bottom Layer w0.2: J22.3@77.089,45.831 77.724,46.466 93.98,46.466 99.695,52.181 101.6,52.181 J27.1@102.997,53.578
ADDRY<0>: J22.16 J27.12 | length 32.4
  Bottom Layer w0.2: J22.16@74.549,30.591 74.722,30.764 75.611,30.764 75.819,30.972 75.819,33.639 76.454,34.274 80.391,34.274 87.757,41.64 99.663,41.64 100.425,40.878 J27.12@100.457,40.878
ADDRY<1>: J22.13 J27.11 | length 30.5
  Bottom Layer w0.2: J22.13@77.089,33.131 80.317,33.131 88.064,40.878 96.774,40.878 98.425,39.227 101.346,39.227 J27.11@102.997,40.878
ADDRY<2>: J22.14 J27.10 | length 31.8
  Bottom Layer w0.2: J22.14@74.549,33.131 75.923,34.505 75.923,36.41 76.327,36.814 78.168,36.814 78.803,36.179 80.645,36.179 86.995,42.529 99.568,42.529 J27.10@100.457,43.418
ADDRY<3>: J22.11 J27.9 | length 29.1
  Bottom Layer w0.2: J22.11@77.089,35.671 80.899,35.671 87.376,42.148 101.727,42.148 J27.9@102.997,43.418
AER_DIS_EXT: J24.8 S4.5 | length 283.1
  Top Layer w0.2: v1@7.884,10.281 v1(7.894,10.271) 16.891,10.271 v1(17.018,10.398) ; v1(93.732,94.847) 93.732,93.71 107.569,93.71 v1(109.093,92.186)
  Bottom Layer w0.2: v1@7.884,10.281 5.969,8.366 5.969,4.302 9.89,0.381 109.728,0.381 110.589,1.242 110.589,6.759 110.49,6.858 110.49,90.789 v1(109.093,92.186) ; v1(17.018,10.398) 22.209,5.207 31.242,5.207 38.477,12.442 38.477,19.157 39.414,20.094 40.249,20.094 41.27,19.073 41.27,17.642 J24.8@42.545,16.367 ; S4.5@90.424,104.758 91.99,103.192 92.675,103.192 93.974,101.893 v1@93.974,94.964
AER_RST: J22.12 S5.6 U8.29 | length 76.1
  Top Layer w0.2: v1(62.178,60.944) 62.178,60.215 v1(63.373,59.02) ; v1(81.407,57.134) 81.471,57.07 81.471,39.671 v1(81.534,39.608) v1(81.534,31.484)
  Bottom Layer w0.2: v1(62.178,60.944) 62.178,61.193 62.839,61.853 63.534,61.853 U8.29@63.574,61.893 ; v1(63.373,59.02) 64.37,58.023 68.199,58.023 69.657,56.565 80.838,56.565 v1(81.407,57.134) ; J22.12@74.549,35.671 75.923,37.045 75.923,38.846 76.558,39.481 81.407,39.481 v1(81.534,39.608) ; v1(81.534,31.484) 88.388,38.338 92.223,38.338 93.453,39.568 S5.6@95.249,39.568
AER_RST_33: J27.8 U8.20 | length 58.6
  Top Layer w0.2: v1(67.564,62.078) 68.449,62.078 v1(71.882,58.645) ; v1(85.598,43.037) 85.598,47.99 85.979,48.371 85.979,60.055 v1(85.725,60.309)
  Bottom Layer w0.2: v1(67.564,62.078) 68.86,62.078 69.272,61.666 70.13,61.666 70.317,61.853 71.136,61.853 U8.20@71.176,61.893 ; v1(71.882,58.645) 72.846,57.681 76.874,57.681 79.502,60.309 v1(85.725,60.309) ; v1(85.598,43.037) 86.106,43.545 96.253,43.545 98.666,45.958 J27.8@100.457,45.958
AVDD: C8.1 J3.2 J21.2 J21.15 R3.1 U2.4 | length 124.7
  Top Layer w0.6: 26.103,50.589 26.103,30.269 v1(27.051,29.321)
  Top Layer w0.8: J21.2@28.321,48.371 26.103,50.589 25.654,51.038 25.654,71.422 27.051,72.819 39.307,72.819 48.006,81.518 48.006,100.06 J3.2@50.292,102.346
  Bottom Layer w0.4: U2.4@7.884,63.703 U2.4@7.932,63.751
  Bottom Layer w0.6: v1(27.051,29.321) 29.591,29.321 J21.15@30.861,30.591
  Bottom Layer w0.8: U2.4@7.884,63.703 R3.1@7.884,60.69 7.884,55.356 v1(25.712,55.356)
BUSY: J31.10 U25.16 | length 118.9
  Top Layer w0.2: v1(95.504,59.42) 95.504,58.645 97.79,56.359 v1(97.79,33.893) ; U25.16@98.098,13.7 99.949,13.7 v1(100.584,14.335)
  Bottom Layer w0.15: v1(95.504,59.42) 95.504,61.071 94.361,62.214 94.361,65.966 91.158,69.17 81.872,69.17 80.01,71.032 80.01,80.6 82.423,83.013 88.86,83.013 91.175,85.328 91.175,89.771 92.037,90.633 ; v1(97.79,33.893) 97.79,32.877 96.774,31.861 96.774,20.621 93.472,17.319 93.472,15.033 94.869,13.636 96.774,13.636 97.472,14.335 v1(100.584,14.335) ; 92.037,90.633 96.012,90.633 96.647,90.633 92.037,90.633
CLK: J31.2 U9.13 U10.13 U17.13 U25.19 | length 133.5
  Top Layer w0.15: v1(101.587,32.178) 105.156,32.178 107.457,34.479 107.457,59.821 105.991,61.288 105.287,61.288 U9.13@105.146,61.428
  Top Layer w0.2: v1(84.074,77.216) 84.074,76.4 86.319,74.155 87.437,74.155 U17.13@87.439,74.153 ; v1(95.123,16.049) 95.476,16.049 95.998,15.528 98.021,15.528 U25.19@98.098,15.605 ; v1(101.6,75.647) 102.919,74.328 104.658,74.328 U10.13@104.673,74.343 ; v1(102.53,62.926) 104.027,61.43 105.145,61.43 U9.13@105.146,61.428
  Bottom Layer w0.15: v1(95.123,16.049) 98.485,19.412 98.485,28.95 101.588,32.053 101.588,32.177 v1(101.587,32.178)
  Bottom Layer w0.2: v1(102.53,62.926) 101.587,63.869 101.587,70.681 102.419,71.513 102.419,74.828 v1(101.6,75.647) 101.6,76.333 98.857,79.076 88.506,79.076 86.987,77.557 85.199,77.557 84.858,77.216 v1(84.074,77.216) 84.074,79.007 85.925,80.858 103.763,80.858 104.775,81.87 104.775,86.979 J31.2@103.632,88.122
CSb_ADC: J31.5 U25.18 | length 107.4
  Top Layer w0.2: v1(96.012,14.779) 96.125,14.893 98.021,14.893 U25.18@98.098,14.97 ; v1(97.028,59.166) 97.028,57.616 98.679,55.965 v1(98.679,33.131)
  Bottom Layer w0.15: v1(96.012,14.779) 94.615,14.779 94.107,15.287 94.107,16.811 97.663,20.367 97.663,31.099 98.679,32.115 v1(98.679,33.131) ; J31.5@96.647,88.093 97.471,87.269 97.471,83.643 96.222,82.393 82.438,82.393 80.532,80.488 80.532,70.934 81.915,69.551 91.201,69.551 94.661,66.091 94.661,62.764 97.028,60.397 v1(97.028,59.166)
CSb_IDAC: J31.4 U17.14 | length 25.7
  Top Layer w0.2: v1(85.839,76.434) 85.839,75.664 86.585,74.919 87.324,74.919 U17.14@87.439,74.803 ; v1(89.535,76.536) 89.535,81.121 90.284,81.87 96.618,81.87 v1(96.647,81.899)
  Bottom Layer w0.2: v1(85.839,76.434) 85.89,76.485 89.484,76.485 v1(89.535,76.536) ; v1(96.647,81.899) 97.012,81.899 98.552,83.439 J31.4@98.552,88.122
CSb_IDAC_scaled: J31.8 U10.14 | length 38.6
  Top Layer w0.2: v1(102.73,76.607) 102.73,75.837 103.476,75.092 104.575,75.092 U10.14@104.673,74.993 ; v1(103.759,72.009) 105.028,72.009 106.172,73.153 v1(106.172,78.358)
  Bottom Layer w0.2: J31.8@101.092,90.662 102.441,92.011 107.673,92.011 108.839,90.845 108.839,81.025 v1(106.172,78.358) ; v1(102.73,76.607) 103.759,75.578 v1(103.759,72.009)
CSb_VDAC: J31.7 U9.14 | length 37.3
  Top Layer w0.2: v1(103.546,63.709) 103.546,62.939 104.292,62.194 105.031,62.194 U9.14@105.146,62.078
  Bottom Layer w0.2: v1(103.546,63.709) 105.497,65.66 105.497,78.909 108.331,81.743 108.331,90.858 107.528,91.661 104.631,91.661 J31.7@103.632,90.662